# Altium PCB TinyShuffle v.0b.PcbDoc (part 1 of 2) (continued)
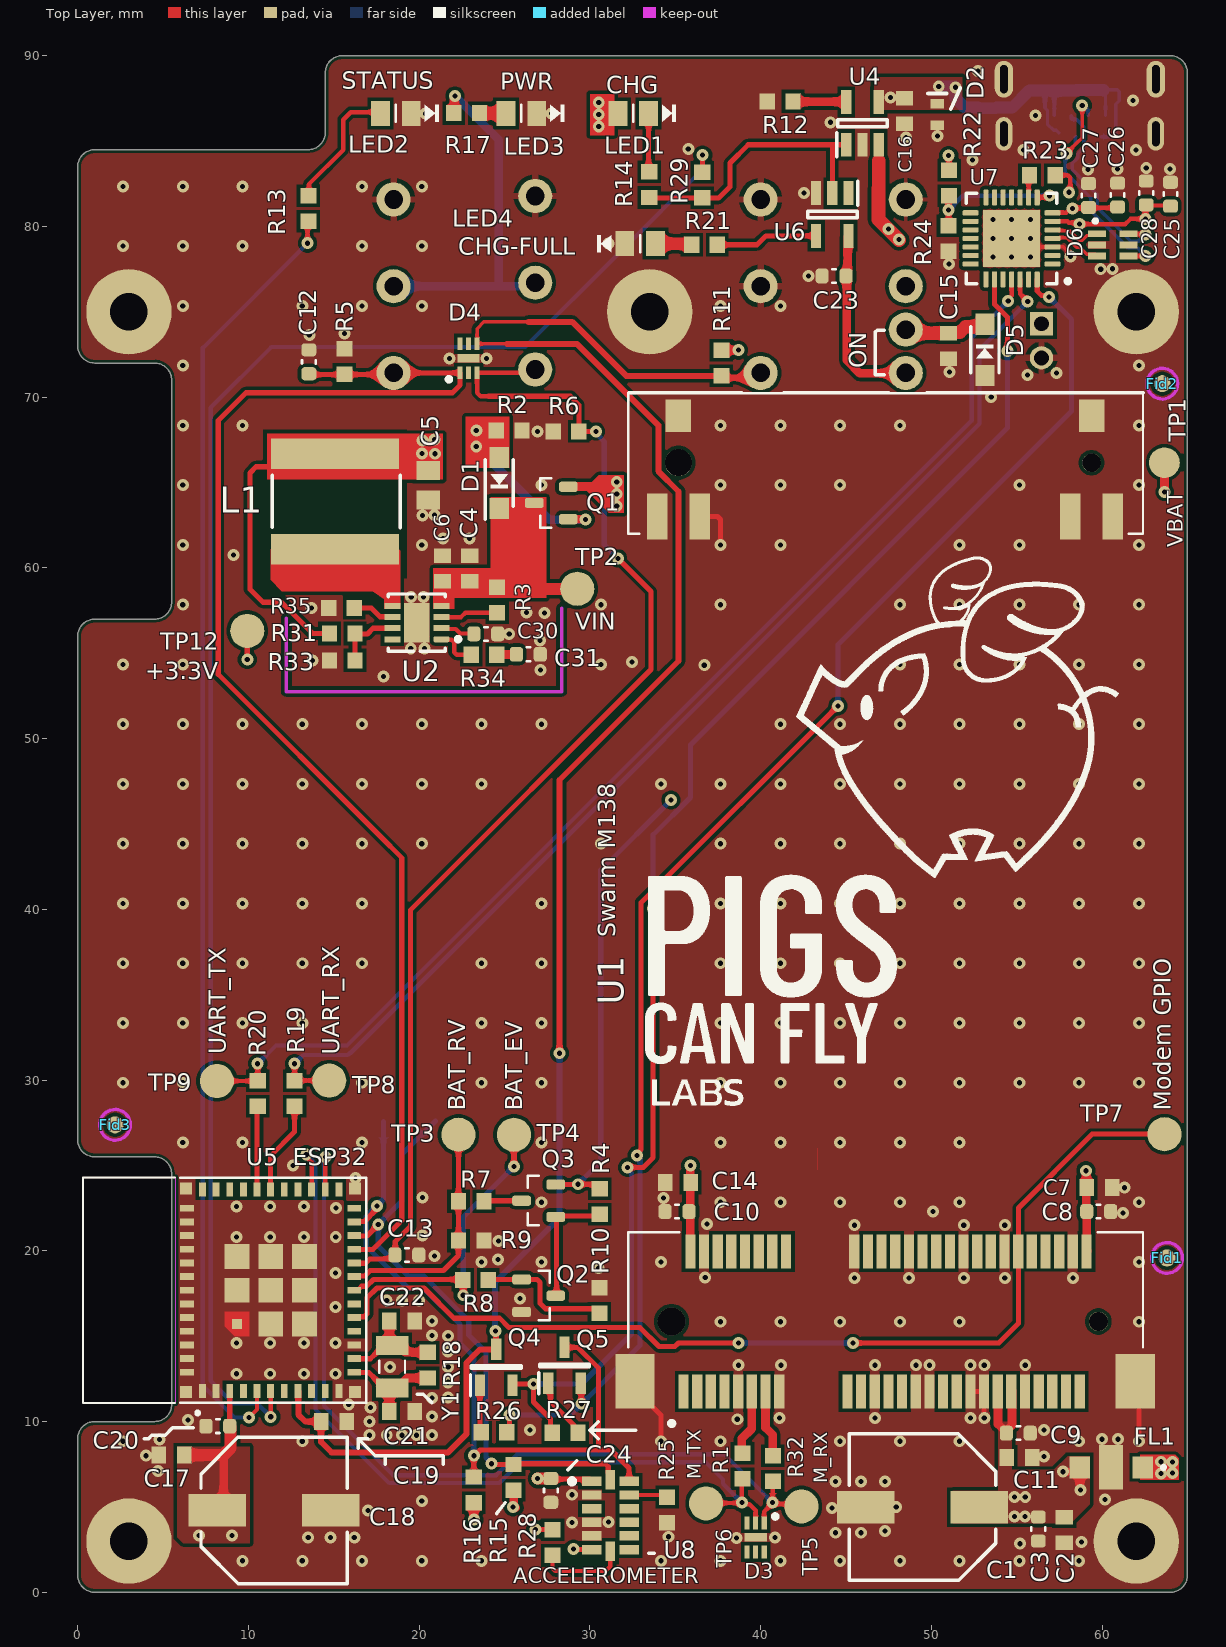
[diagram p0: Top Layer view]
## Design rules (kind name [scope] priority, off if disabled: settings) (continued)
21 further rules are at their usual default settings.

## Classes and differential pairs
differential pair USB: +USB_P -USB_N
differential pair USBC: +USBC_P -USBC_N

## Components (designator, comment, footprint, x,y, rotation, side; value= is the part's Value field where it differs from the comment)
C1 "APXA6R3ARA221MH7" CHEMI-H70 49.479,4.978 r180 top value=220uF
C2 "GRM188R61E106MA73D" "0603 CAPACITOR" 57.785,3.658 r270 top value=10UF
C3 "CL10B104KB8NNWC" CAPC160X80X90L35L#1 56.261,3.708 r90 top
C4 "CAPC1608N-1UF" "0603 CAPACITOR" 22.962,59.969 r270 top value=1UF
C5 "CL21A226MOQNNNE" CAPC2012X135N 20.523,64.846 r90 top value=22uF
C6 "GRM188R61E106MA73D" "0603 CAPACITOR" 21.361,59.969 r270 top value=10UF
C7 "GRM188R61E106MA73D" "0603 CAPACITOR" 59.85,23.7 r180 top value=10UF
C8 "CL10B104KB8NNWC" CAPC160X80X90L35L#1 59.8,22.3 r0 top
C9 "CL10B104KB8NNWC" CAPC160X80X90L35L#1 55.093,9.322 r180 top
C10 "CL10B104KB8NNWC" CAPC160X80X90L35L#1 35.1,22.3 r180 top
C11 "GRM188R61E106MA73D" "0603 CAPACITOR" 55.169,7.899 r180 top value=10UF
C12 "CL10B104KB8NNWC" CAPC160X80X90L35L#1 13.538,72.072 r270 top
C13 "CL10B104KB8NNWC" CAPC160X80X90L35L#1 19.279,19.761 r180 top
C14 "GRM188R61E106MA73D" "0603 CAPACITOR" 35.15,24 r0 top value=10UF
C15 "CAPC1608N-1UF" "0603 CAPACITOR" 51,73 r270 top value=1UF
C16 "CAPC1608N-1UF" "0603 CAPACITOR" 48.438,86.766 r90 top value=1UF
C17 "CAPC1608N-1UF" "0603 CAPACITOR" 5.5,8.038 r0 top value=1UF
C18 "APXA6R3ARA221MH7" CHEMI-H70 11.5,4.8 r0 top value=220uF
C19 "CAPC1608N-1UF" "0603 CAPACITOR" 15,10 r180 top value=1UF
C20 "CL10B104KB8NNWC" CAPC160X80X90L35L#1 8.204,9.728 r180 top
C21 "GRM1885C2A120JA01D" "0603 CAPACITOR" 19,10.6 r0 top value=12pF
C22 "GRM1885C2A120JA01D" "0603 CAPACITOR" 19,15.9 r0 top value=12pF
C23 "CL10B104KB8NNWC" CAPC160X80X90L35L#1 44.3,77.1 r180 top
C24 "CL10B104KB8NNWC" CAPC160X80X90L35L#1 27.711,5.969 r90 top
C25 "GRM188R61E475KE11D" CAPC160X80X90L35L#1 64.008,81.89 r270 top
C26 "CL10B104KB8NNWC" CAPC160X80X90L35L#1 60.909,81.839 r270 top
C27 "GRM188R61E475KE11D" CAPC160X80X90L35L#1 59.207,81.813 r270 top
C28 "CL10B104KB8NNWC" CAPC160X80X90L35L#1 62.586,81.966 r270 top
C29 "GRM188R61E475KE11D" CAPC160X80X90L35L#2 52.756,87.63 r270 bottom
C30 "CL10B103KB8NNNC" CAPC160X80X90L35L#2 23.901,56.134 r180 top
C31 "CL10C561JB8NFNC" CAPC160X80X90L35L#2 26.391,54.94 r180 top
D1 "MBR120" SODFL3616X98N 24.689,64.973 r90 top
D2 "ESDA7P60-1U1M" ST_1610 50.35,86.551 r270 top
D3 "UCLAMP3306P.TCT" SLP1616P6 39.708,3.214 r270 top
D4 "UCLAMP3306P.TCT" SLP1616P6 22.893,72.277 r90 top
D5 "MBR120" SODFL3616X98N 53.137,72.771 r270 top
D6 "USBUF02W6" SOT323-6L 60.63,78.918 r0 top
Fid1 "fid" "Fiducial mark 1" 63.805,19.583 r90 top
Fid2 "fid" "Fiducial mark 1" 63.525,70.79 r90 top
Fid3 "fid" "Fiducial mark 1" 2.184,27.381 r90 top
FL1 "YFF31HC2A105M" FIL_YFF31HC2A105M 60.528,7.315 r180 top
J1 "124019772112A" AMPHENOL_124019772112A 58.7,88.625 r0 bottom
L1 "2 µH" INDC8080X42L 15.062,63.892 r90 top
LED1 "5988130107F" LEDC2012X70N 32.537,86.623 r180 top value=ORANGE
LED2 "5988170107F" LEDC2012X70N 18.633,86.623 r180 top value=GREEN
LED3 "5988110107F" LEDC2012X70N 25.985,86.623 r180 top value=RED
LED4 "5988170107F" LEDC2012X70N 32.944,78.994 r0 top value=GREEN
Q1 "DMP2120U-7" SOT23-3P95_237X112L50X40L 27.737,63.805 r180 top
Q2 "DMP2004K-7" SOT23-3P95_237X112L50X40L 27,22.936 r180 top
Q3 "2N7002,215" SOT23-3P95_237X112L50X40L 27,17.374 r0 top
Q4 "MMBT2222A-G" SOT96P237X111-3N 24.511,13.183 r90 top
Q5 "MMBT2222A-G" SOT96P237X111-3N 28.514,13.293 r90 top
R1 "22" RES0603 38.938,7.391 r270 top
R2 "100K" RES0603 25.273,68.047 r0 top
R3 "10k" RES0603 24.562,58.115 r270 top value=10K
R4 "100K" RES0603 30.582,22.885 r270 top
R5 "10k" RES0603 15.621,72.09 r90 top value=10K
R6 "10k" RES0603 28.6,67.996 r180 top value=10K
R7 "330K" RES0603 23.05,22.9 r180 top value=15K
R8 "4.7K" RES0603 23.3,18.296 r0 top
R9 "47K" RES0603 23.05,20.6 r0 top value=47k
R10 "100K" RES0603 30.556,17.094 r90 top
R11 "10k" RES0603 37.7,72 r270 top value=10K
R12 "2.4K" RES0603 41.148,87.325 r180 top
R13 "1K" RES0603 13.513,81.051 r270 top
R14 "1K" RES0603 33.477,82.448 r270 top
R15 "4.7K" RES0603 25.527,6.731 r270 top
R16 "4.7K" RES0603 23.2,6 r270 top
R17 "1K" RES0603 22.784,86.639 r180 top
R18 "10M" RES0603 20.5,13.3 r90 top
R19 "22" RES0603 12.7,29.21 r270 top
R20 "22" RES0603 10.541,29.21 r270 top
R21 "1K" RES0603 36.71,78.925 r0 top
R22 "22.1 k" RES0603 51.04,82.543 r270 top
R23 "1K" RES0603 56.5,83 r180 top
R24 "47.5 k" RES0603 51.003,79.299 r270 top
R25 "10k" RES0603 34.519,4.826 r270 top value=10K
R26 "10k" RES0603 24.384,9.373 r180 top value=10K
R27 "10k" RES0603 28.55,9.347 r0 top value=10K
R28 "10k" RES0603 27.813,2.909 r90 top value=10K
R29 "1K" RES0603 36.576,82.423 r90 top
R31 "75K" RES0603 15.494,56.159 r0 top value=75k
R32 "22" RES0603 40.716,7.252 r270 top
R33 "24K" RES0603 15.494,54.585 r180 top value=24k
R34 "33K" RES0603 23.8,54.915 r0 top value=33k
R35 "300" RES0603 15.443,57.658 r180 top
S1 "200AWMSP1T1A1M7QE" 200AWMSP1T1A1M7QE 48.5,76.5 r270 bottom
S2 "800AWSP9M7QE" 800AWSP9M7QE 18.5,76.5 r270 bottom
S3 "800AWSP9M7QE" 800AWSP9M7QE 26.797,76.703 r270 bottom
S4 "800AWSP9M7QE" 800AWSP9M7QE 40,76.5 r270 bottom
T1 "SWR201-NRTN-S02-SA-WH" JST_B2B-PH-K-S(LF)(SN) 57,73.3 r90 bottom
TP1 "TPAD" PAD_2.0R#1 63.652,66.167 r0 top
TP2 "TPAD" PAD_2.0R#2 29.261,58.776 r0 top
TP3 "TPAD" PAD_2.0R#2 22.3,26.8 r0 top
TP4 "TPAD" PAD_2.0R#2 25.552,26.797 r0 top
TP5 "TPAD" PAD_2.0R#2 42.393,5.029 r0 top
TP6 "TPAD" PAD_2.0R#2 36.805,5.207 r0 top
TP7 "TPAD" PAD_2.0R#2 63.656,26.83 r0 top
TP8 "TPAD" PAD_2.0R#2 14.732,29.972 r0 top
TP9 "TPAD" PAD_2.0R#2 8.153,29.947 r0 top
TP10 "TPAD" PAD_2.0R#2 20.955,27.61 r90 bottom
TP11 "TPAD" PAD_2.0R#2 17.907,27.584 r90 bottom
TP12 "TPAD" PAD_2.0R#3 9.931,56.312 r0 top
U1 "M138_MODEM" XCVR_M138_MODEM 34.785,15.86 r0 top
U2 "RT8070ZQW" QFN65P300X300X80_HS-9L 19.863,56.794 r90 top
U4 "MCP73831T-2ACI/OT" SOT95P270X145-5N 45.97,86.038 r90 top
U5 "ESP32-C3-MINI-1-N4" XCVR_ESP32-C3-MINI-1-N4 8.601,17.691 r90 top
U6 "SN74LVC1G04DBVT" SOT95P270X145-5N 44.2,80.7 r270 top
U7 "CP2102N" QFN-28_1 54.7,79.3 r180 top
U8 "ADXL345BCCZ-RL" ADXL345BCCZRL 31.2,4.5 r0 top
Y1 "ABS07-32.768KHZ-T" XTAL_ABS07-32.768KHZ-T 18.415,13.208 r270 top

## Footprints (in the part's own frame and the unit in brackets; to place one, negate y for a bottom-side part, rotate by r counter-clockwise, add the part's x,y. Pads: shape width x height; smd on the part's side, far side on the other; paste and mask are expansions set on the pad)
200AWMSP1T1A1M7QE [mm] "SWITCH TOGGLE SPDT 3A 120V"
  round 2 hole 1.09 mask-0.05: 1(0,0) 2(2.54,0) 3(5.08,0) M(-5.08,0)
  silkscreen extent -9.9,-3 0.3,3, body extent -23.42,-2.95 5.34,2.95, height 8.67
"0603 CAPACITOR" [mm]
  rect 0.85x1 smd paste-0.05: 1(-0.75,0) 2(0.75,0)
  body extent -0.8,-0.4 0.8,0.4, height 0.81
800AWSP9M7QE [mm] "SWITCH PUSH SPST-NO 1A 120V"
  round 2 hole 1.09 mask-0.05: 1(0,0) 3(5.08,0) M(-5.08,0)
  silkscreen extent -10.1,-3 3.62,3, body extent -18.83,-2.95 5.34,2.95, height 8.74
ADXL345BCCZRL [mm]
  rect 1.145x0.55 smd paste-0.05 mask+0.05: 1(-1.097,2) 2(-1.097,1.2) 3(-1.097,0.4) 4(-1.097,-0.4) 5(-1.097,-1.2) 6(-1.097,-2) 8(1.097,-2) 9(1.097,-1.2) 10(1.097,-0.4) 11(1.097,0.4) 12(1.097,1.2) 13(1.097,2)
  rect 0.55x1.145 smd paste-0.05 mask+0.05: 7(0,-2.098) 14(0,2.098)
  silkscreen extent -2.4,1.85 -2.1,2.15, body extent -1.5,-2.5 1.5,2.5, height 1.1
AMPHENOL_124019772112A [mm]
  rect 0.25x0.75 smd mask-0.05: A1(-3.05,3.375) A4(-1.25,3.375) A5(-0.75,3.375) A6(-0.25,3.375) A7(0.25,3.375) A8(0.75,3.375) A9(1.25,3.375) A12(3.05,3.375) B1(3,2.125) B4(1.5,2.125) B5(1,2.125) B6(0.5,2.125) B7(-0.5,2.125) B8(-1,2.125) B9(-1.5,2.125) B12(-3,2.125)
  rect 0.3x0.75 smd mask-0.05: G1(-3.55,3.375) G2(3.55,3.375)
  oval 0.98x1.96 hole 0.45 slot 1.45 at 90 deg mask-0.05: S1(-4.45,3.2) S2(4.45,3.2)
  oval 1.08x2.16 hole 0.45 slot 1.65 at 90 deg mask-0.05: S3(-4.45,0) S4(4.45,0)
  silkscreen extent -4.75,1.4 4.75,5.1, body extent -4.92,-4.2 4.93,4.45, height 3.53
CAPC160X80X90L35L#1 [mm] "EIA 0603 (1608) T0.9 1.6x0.8x0.9"
  rrect50% 0.77x0.87 smd paste-0.05 mask+0.05: 1(-0.7,0) 2(0.7,0)
  silkscreen extent -0.1,-0.4 0.1,0.4, body extent -0.87,-0.48 0.87,0.47, height 0.9
CAPC160X80X90L35L#2 [mm] "EIA 0603 (1608) T0.9 1.6x0.8x0.9"
  rrect50% 0.77x0.87 smd: 1(-0.7,0) 2(0.7,0)
  silkscreen extent -0.1,-0.4 0.1,0.4, body extent -0.88,-0.48 0.87,0.47, height 0.9
CAPC2012X135N [mm]
  rect 1.1x1.38 smd: 1(-0.863,0) 2(0.863,0)
  body extent -1,-0.68 1,0.67, height 1.22
CHEMI-H70 [mil]
  rect 132x75 smd paste-1.97: 1(-131,0) 2(131,0)
  silkscreen extent -168,-169 169,169, body extent -177,-167 177,160, height 266
"Fiducial mark 1" [mm] "Fiducial mark for automatic assembly"
  round 1 smd far side paste-1 mask+0.45: 0(0,0)
  round 1 smd paste-1 mask+0.45: 0(0,0)
  Top Layer keep-out circle w0.2: c0,0 r0.9
  Bottom Layer keep-out circle w0.2: c0,0 r0.9
FIL_YFF31HC2A105M [mm]
  rect 1.2x1.3 smd paste-0.03: 1(-1.85,0) 3(1.85,0)
  rect 1.4x2.6 smd paste-2 mask+0: 2(0,0)
  silkscreen extent -3.17,-0.1 -2.97,0.1, body extent -1.6,-0.8 1.6,0.8, height 1.3
INDC8080X42L [mm] "Chip Inductor, 2-Leads, Body 8,00x8,00mm, IPC High Density"
  rect 1.8x7.5 smd: 1(-2.8,0) 2(2.8,0)
  silkscreen extent -1.55,-3.84 1.52,3.66, body extent -4.1,-4.1 4.1,4.1, height 4.2
JST_B2B-PH-K-S(LF)(SN) [mm]
  rect 1.368x1.368 hole 0.86 mask-0.05: 1(1,-0.55)
  round 1.368 hole 0.86 mask-0.05: 2(-1,-0.55)
  silkscreen extent -2.95,-2.25 3.7,2.25, body extent -2.95,-2.25 2.95,2.25, height 6.01
LEDC2012X70N [mm]
  rect 1.1x1.45 smd paste-0.05: A(0.9,0) C(-0.9,0)
  silkscreen extent -2.5,-0.5 0,0.5, body extent -1,-0.62 1,0.62, height 0.71
PAD_2.0R#1 [mm] "Pad, SMD, R=2.0 mm"
  round 1.8 smd paste-1 mask-0.05: 1(0,0)
  body extent -0.99,-1 1,1, height 0.05
PAD_2.0R#2 [mm] "Pad, SMD, R=2.0 mm"
  round 2 smd paste-1 mask-0.05: 1(0,0)
  body extent -0.99,-1 1,1, height 0.05
PAD_2.0R#3 [mm] "Pad, SMD, R=2.0 mm"
  round 2 smd paste-1: 1(0,0)
  body extent -0.99,-1 1,1, height 0.05
QFN65P300X300X80_HS-9L [mm] "QFN, 8-Leads, Body 3,00x3,00mm, Pitch 0,65mm, Thermal Pad 2,23x1,48mm, IPC High Density"
  rrect50% 0.35x0.93 smd mask+0.05: 1(-0.975,-1.435)
  rect 0.35x0.93 smd mask+0.05: 2(-0.325,-1.435) 3(0.325,-1.435) 4(0.975,-1.435) 5(0.975,1.435) 6(0.325,1.435) 7(-0.325,1.435) 8(-0.975,1.435)
  rect 2.3x1.5 smd mask+0.05: 9(0,0)
  silkscreen extent -1.68,-2.54 1.68,1.68, body extent -1.53,-1.52 1.52,1.53, height 0.8
QFN-28_1 [mm] "QFN, 28-Leads, Body 5,00x5,00mm, Pitch 0,50mm, Thermal Pad 3,35x3,35mm, IPC High Density"
  rrect50% 0.95x0.3 smd paste-0.05: 1(-2.4,1.5) 2(-2.4,1) 3(-2.4,0.5) 4(-2.4,0) 5(-2.4,-0.5) 6(-2.4,-1) 7(-2.4,-1.5) 15(2.4,-1.5) 16(2.4,-1) 17(2.4,-0.5) 18(2.4,0) 19(2.4,0.5) 20(2.4,1) 21(2.4,1.5)
  rrect50% 0.3x0.95 smd paste-0.05: 8(-1.5,-2.4) 9(-1,-2.4) 10(-0.5,-2.4) 11(0,-2.4) 12(0.5,-2.4) 13(1,-2.4) 14(1.5,-2.4) 22(1.5,2.4) 23(1,2.4) 24(0.5,2.4) 25(0,2.4) 26(-0.5,2.4) 27(-1,2.4) 28(-1.5,2.4)
  rect 3.35x3.35 smd paste-0.05: 29(0,0)
  silkscreen extent -3.43,-2.65 2.65,2.65, body extent -2.5,-2.5 2.5,2.5, height 0.75
RES0603 [mm]
  rect 0.9x0.95 smd paste-0.05: 1(-0.75,0) 2(0.75,0)
  body extent -0.77,-0.4 0.77,0.4, height 0.55
SLP1616P6 [mm] "SON50P160X160X65-7N"
  rect 0.75x0.3 smd paste-0.03 mask-0.05: 1(-0.85,0.5) 2(-0.85,0) 3(-0.85,-0.5) 4(0.85,-0.5) 5(0.85,0) 6(0.85,0.5)
  rect 0.5x1.3 smd paste-0.05 mask-0.05: 7(0,0)
  silkscreen extent -1.35,1.03 -1.1,1.28, body extent -0.85,-0.8 0.85,0.8, height 0.65
SODFL3616X98N [mm]
  rect 1.24x1.12 smd paste-0.03 mask+0.05: 1(-1.5,0) 2(1.5,0)
  silkscreen extent -2.12,-0.82 1.35,0.82, body extent -1.8,-0.82 1.8,0.82, height 0.98
SOT23-3P95_237X112L50X40L [mm] "SOT-23-3 2.9x1.3x1.1 p0.95 (JEDEC TO-236AB)"
  rrect50% 1.1x0.6 smd paste-0.05 mask+0.05: 1(-1,0.95) 2(-1,-0.95) 3(1,0)
  silkscreen extent 0,-1.45 0.65,1.45, body extent -1.2,-1.45 1.2,1.45, height 0.91
SOT95P270X145-5N [mm]
  rect 1.4x0.6 smd paste-0.05: 1(-1.25,0.95) 2(-1.25,0) 3(-1.25,-0.95) 4(1.25,-0.95) 5(1.25,0.95)
  silkscreen extent -1.95,-1.45 0.2,1.5, body extent -1.35,-1.45 1.35,1.45, height 1.45
SOT96P237X111-3N [mm]
  rect 1.25x0.6 smd paste-0.05: 1(-1.05,0.955) 2(-1.05,-0.955) 3(1.05,0)
  silkscreen extent -1.68,-1.46 0.08,1.51, body extent -1.18,-1.46 1.18,1.46, height 1.11
SOT323-6L [mm] "SOT23, 6-Leads, Body 2,00x2,10mm, Pitch 0,65mm, IPC High Density"
  rect 1.05x0.4 smd paste-0.03 mask+0.05: 1(-0.925,0.65) 2(-0.925,0) 3(-0.925,-0.65) 4(0.925,-0.65) 5(0.925,0) 6(0.925,0.65)
  silkscreen extent -1.12,1.31 -0.93,1.49, body extent -0.67,-1.1 0.67,1.1, height 1.1
ST_1610 [mm]
  rect 0.55x0.8 smd paste-0.05 mask-0.05: 1(-0.625,0) 2(0.625,0)
  silkscreen extent -1.23,-0.54 -1.23,0.53, body extent -0.85,-0.55 0.85,0.55, height 0.66
XCVR_ESP32-C3-MINI-1-N4 [mm]
  rect 0.8x0.4 smd: 1(-5.9,1.3) 2(-5.9,0.5) 3(-5.9,-0.3) 4(-5.9,-1.1) 5(-5.9,-1.9) 6(-5.9,-2.7) 7(-5.9,-3.5) 8(-5.9,-4.3) 9(-5.9,-5.1) 10(-5.9,-5.9) 11(-5.9,-6.7) 25(5.9,-6.7) 26(5.9,-5.9) 27(5.9,-5.1) 28(5.9,-4.3) 29(5.9,-3.5) 30(5.9,-2.7) 31(5.9,-1.9) 32(5.9,-1.1) 33(5.9,-0.3) 34(5.9,0.5) 35(5.9,1.3)
  rect 0.4x0.8 smd: 12(-4.8,-7.6) 13(-4,-7.6) 14(-3.2,-7.6) 15(-2.4,-7.6) 16(-1.6,-7.6) 17(-0.8,-7.6) 18(0,-7.6) 19(0.8,-7.6) 20(1.6,-7.6) 21(2.4,-7.6) 22(3.2,-7.6) 23(4,-7.6) 24(4.8,-7.6) 36(4.8,2.2) 37(4,2.2) 38(3.2,2.2) 39(2.4,2.2) 40(1.6,2.2) 41(0.8,2.2) 42(0,2.2) 43(-0.8,2.2) 44(-1.6,2.2) 45(-2.4,2.2) 46(-3.2,2.2) 47(-4,2.2) 48(-4.8,2.2)
  rect 0.6x0.6 smd paste-1 mask+0: 49_1(-1.975,-0.725)
  rect 1.45x1.45 smd: 49_2(0,-0.725) 49_3(1.975,-0.725) 49_4(1.975,-2.7) 49_5(1.975,-4.675) 49_6(0,-4.675) 49_7(-1.975,-4.675) 49_8(-1.975,-2.7) 49_9(0,-2.7)
  rect 0.7x0.7 smd: 50(5.95,2.25) 51(5.95,-7.65) 52(-5.95,-7.65) 53(-5.95,2.25)
  Top Layer region: -1.25,-1.45 -2.7,-1.45 -2.7,-0.6 -2.1,0 -1.25,0
  Keep-Out Layer region: 6.6,2.9 -6.6,2.9 -6.6,8.3 6.6,8.3
  Keep-Out Layer region: 6.6,2.9 -6.6,2.9 -6.6,8.3 6.6,8.3
  silkscreen extent -7.29,-8.3 6.6,8.3, body extent -6.6,-8.3 6.6,8.3, height 2.55
XCVR_M138_MODEM [mm]
  rect 0.6x2 smd: 1(0.7,-4.1) 2(1.1,4.1) 3(1.5,-4.1) 4(1.9,4.1) 5(2.3,-4.1) 6(2.7,4.1) 7(3.1,-4.1) 8(3.5,4.1) 9(3.9,-4.1) 10(4.3,4.1) 11(4.7,-4.1) 12(5.1,4.1) 13(5.5,-4.1) 14(5.9,4.1) 15(6.3,-4.1) 16(6.7,4.1) 17(10.3,-4.1) 18(10.7,4.1) 19(11.1,-4.1) 20(11.5,4.1) 21(11.9,-4.1) 22(12.3,4.1) 23(12.7,-4.1) 24(13.1,4.1) 25(13.5,-4.1) 26(13.9,4.1) 27(14.3,-4.1) 28(14.7,4.1) 29(15.1,-4.1) 30(15.5,4.1) 31(15.9,-4.1) 32(16.3,4.1) 33(16.7,-4.1) 34(17.1,4.1) 35(17.5,-4.1) 36(17.9,4.1) 37(18.3,-4.1) 38(18.7,4.1) 39(19.1,-4.1) 40(19.5,4.1) 41(19.9,-4.1) 42(20.3,4.1) 43(20.7,-4.1) 44(21.1,4.1) 45(21.5,-4.1) 46(21.9,4.1) 47(22.3,-4.1) 48(22.7,4.1) 49(23.1,-4.1) 50(23.5,4.1) 51(23.9,-4.1) 52(24.3,4.1)
  rect 2.3x3.2 smd: 53(-2.15,-3.5) 54(27.15,-3.5)
  rect 1.5x1.9 smd: S1_1(0.4,53.05) S2_1(24.6,53.05)
  rect 1.2x2.7 smd: S1_2(-0.85,47.15) S1_3(1.65,47.15) S2_2(23.35,47.15) S2_3(25.85,47.15)
  round 1.63 hole 1.63 unplated: ""(0,0)
  round 1.58 hole 1.58 unplated: ""(0.4,50.3)
  round 1.08 hole 1.08 unplated: ""(24.6,50.3)
  round 1.13 hole 1.13 unplated: ""(25,0)
  silkscreen extent -2.54,-6.04 27.61,54.37, body extent -2.4,-4.87 27.64,54.32, height 6.9
XTAL_ABS07-32.768KHZ-T [mm]
  rect 1.1x1.9 smd paste-0.03: 1(-1.25,0) 2(1.25,0)
  silkscreen extent -0.35,-0.75 0.35,0.75, body extent -1.6,-0.75 1.6,0.75, height 0.89

## Part data
C1 C18: "CAP ALUM POLY 220UF 20% 6.3V SMD", Manufacturer="Nippon Chemi-Con", ManufacturerPartNumber=APXA6R3ARA221MH70G, C="Copyright (C) 2015 Accelerated Designs. All rights reserved", Copyright="Copyright (C) 2022 Ultra Librarian. All rights reserved.", Digi-Key_Part_Number_1=565-3114-1-ND, Digi-Key_Part_Number_2=565-3114-2-ND, Digi-Key_Part_Number_3=565-3114-2-NDL, Digi-Key_Part_Number_4=565-3114-6-ND
C2 C6 C7 C11 C14: library part CAPC1608N-0.1UF, "25V 10UF X5R ±20% 0603 MLCC", Manufacturer="TDK Corporation", ManufacturerPartNumber=CGA3E2X7R1E104K080AA, Mouser Part Number=963-TMF212B7104KGHT, Mouser Price/Stock=https://www2.mouser.com/ProductDetail/Taiyo-Yuden/TMF212B7104KGHT?qs=%252B6g0mu59x7Jv7XISa3hIWA%3D%3D, PCB DECAL=CAPC1608X55N
C3 C8 C9 C10 C12 C13 C20 C23 C24 C26 C28: library part CMP-00119-2, "CAP CER 0.1UF 50V X7R 0603", Capacitance=100nF, Dielectric=X7R, Manufacturer="Samsung Electro-Mechanics", Op Temp max=125°C, Op Temp min=-55°C, Package="0603 (1608 Metric)", Ratings=-, Tolerance=10%, Voltage Rating=50V, ComponentLink1Description=Datasheet, ComponentLink1URL=http://product.samsungsem.com/mlcc/CL10B104KB8NNW.do, ComponentLink2Description=Mouser, ComponentLink2URL=https://eu.mouser.com/ProductDetail/Samsung-Electro-Mechanics/CL10B104KB8NNWC?qs=%2Fha2pyFaduh3vwrZSGoh3Z6Gj3oVa1Y%2Fpd7iGPjF01jpt%2F6TY3kdMw%3D%3D, ComponentLink3Description=Digikey, ComponentLink3URL=https://www.digikey.com/en/products/detail/samsung-electro-mechanics/CL10B104KB8NNWC/3887593, Height max=900µm, Lead Spacing=0mm, ManufacturerPartNumber=CL10B104KB8NNWC, Mounting Type=SM, Size="1.60mm x 0.80mm"
C4 C15 C16 C17 C19: library part CAPC1608N-0.1UF, "CAP CER 1UF 25V X7R 0603", Manufacturer="TDK Corporation", ManufacturerPartNumber=CGA3E2X7R1E104K080AA, Mouser Part Number=963-TMF212B7104KGHT, Mouser Price/Stock=https://www2.mouser.com/ProductDetail/Taiyo-Yuden/TMF212B7104KGHT?qs=%252B6g0mu59x7Jv7XISa3hIWA%3D%3D, PCB DECAL=CAPC1608X55N
C5: "CAP CER 22UF 16V X5R 0805", Manufacturer="Samsung Electro-Mechanics", Operating Temperature="-55°C ~ 85°C", Package / Case="0805 (2012 Metric)", Temperature Coefficient=X5R, Tolerance=±20%, Voltage - Rated=16V, ComponentLink1Description=Datasheet, ComponentLink1URL=https://media.digikey.com/pdf/Data%20Sheets/Samsung%20PDFs/CL21A226MOQNNNE_Spec.pdf, ComponentLink2Description=Digikey, ComponentLink2URL=https://www.digikey.com/en/products/detail/samsung-electro-mechanics/CL21A226MOQNNNE/3888567, ManufacturerPartNumber=CL21A226MOQNNNE
C21 C22: library part CAPC1608N-0.1UF, "CAP CER 12PF NP0 0603", Manufacturer="Murata Electronics", ManufacturerPartNumber=GRM1885C2A120JA01D
C25 C27 C29: library part CMP-001-0280-2, "CAP CER 4.7UF 25V X5R 0603", Capacitance=4.7µF, Dielectric=X5R, Manufacturer="Murata Electronics", Op Temp max=85°C, Op Temp min=-55°C, Package="0603 (1608 Metric)", Ratings=-, Tolerance=10%, Voltage Rating=25V, ComponentLink1Description=Datasheet, ComponentLink1URL=https://www.murata.com/-/media/webrenewal/support/library/catalog/products/capacitor/ceramiccapacitor/c02e.ashx?la=en-us&cvid=20210120024548000000, ComponentLink2Description=Mouser, ComponentLink2URL=https://eu.mouser.com/ProductDetail/Murata-Electronics/GRM188R61E475KE11D?qs=eeBpzGFlv%252B9M0HqzMo%2FgYw%3D%3D, ComponentLink3Description=Digikey, ComponentLink3URL=https://www.digikey.com/en/products/detail/murata-electronics/GRM188R61E475KE11D/3900465, Height max=800µm, Lead Spacing=0mm, ManufacturerPartNumber=GRM188R61E475KE11D, Mounting Type=SM, Size="1.60mm x 0.80mm"
C30: library part CMP-00119-2, "CAP CER 10000PF 50V X7R 0603", Capacitance=10nF, Dielectric=X7R, Manufacturer="Samsung Electro-Mechanics", Op Temp max=125°C, Op Temp min=-55°C, Package="0603 (1608 Metric)", Ratings=-, Tolerance=10%, Voltage Rating=50V, ComponentLink1Description=Datasheet, ComponentLink1URL=https://media.digikey.com/pdf/Data%20Sheets/Samsung%20PDFs/CL10B103KB8NNNC_Spec.pdf, ComponentLink2Description=Mouser, ComponentLink2URL=https://www.mouser.com/ProductDetail/Samsung-Electro-Mechanics/CL10B103KB8NNNC?qs=349EhDEZ59pAsZxZjVI0UQ%3D%3D, ComponentLink3Description=Digikey, ComponentLink3URL=https://www.digikey.com/en/products/detail/samsung-electro-mechanics/CL10B103KB8NNNC/3886667, Height max=900µm, Lead Spacing=0mm, ManufacturerPartNumber=CL10B103KB8NNNC, Mounting Type=SM, Size="1.60mm x 0.80mm"
C31: library part CMP-00119-2, "CAP CER 560PF 50V C0G/NP0 0603", Capacitance=560pF, Dielectric="C0G, NP0", Manufacturer="Samsung Electro-Mechanics", Op Temp max=125°C, Op Temp min=-55°C, Package="0603 (1608 Metric)", Ratings=-, Tolerance=10%, Voltage Rating=50V, ComponentLink1Description=Datasheet, ComponentLink1URL=https://www.samsungsem.com/kr/support/product-search/mlcc/CL10C561JB8NFNC.jsp, ComponentLink2Description=Mouser, ComponentLink2URL=https://www.mouser.com/ProductDetail/Samsung-Electro-Mechanics/CL10C561JB8NFNC?qs=h6Piwd%2Fnvzm6ky5tL0eH4g%3D%3D, ComponentLink3Description=Digikey, ComponentLink3URL=https://www.digikey.com/en/products/detail/samsung-electro-mechanics/CL10C561JB8NFNC/3887973, Height max=900µm, Lead Spacing=0mm, ManufacturerPartNumber=CL10C561JB8NFNC, Mounting Type=SM, Size="1.60mm x 0.80mm"
D1 D5: library part MBR0520, "20V 600mV@1A 1A SOD-123 Schottky Barrier Diodes (SBD) ROHS", LCSC Part Number=C81143, Manufacturer=ON, ManufacturerPartNumber=LMBR120FT1G, Generic Part=no
D2: "TVS DIODE 5V 11.6V 1610", Manufacturer=STMicroelectronics, Package/Case=1610, Supplier 1 Part Number=497-16253-2-ND, Group=Diode, ManufacturerPartNumber=ESDA7P60-1U1M, MPN=ESDA7P60-1U1M, Price=0.07875, Supplier 1=Digi-Key, Supplier 1 Link=https://www.digikey.com/en/products/detail/stmicroelectronics/ESDA7P60-1U1M/5768408?s=N4IgTCBcDaIKIGUAiBBA7ABQGwAYC0AjAKoECyIAugL5A
D3 D4: "TVS DIODE 3.3V 8V SLP1616P6", Manufacturer=Semtech, Package/Case="6-UFDFN Exposed Pad", Supplier 1 Part Number=947-UCLAMP3306P.TCT, Group=Diode, ManufacturerPartNumber=UCLAMP3306P.TCT, Price=0.337, Supplier 1=Mouser, Supplier 1 Link=https://www.mouser.co.uk/ProductDetail/Semtech/UCLAMP3306PTCT?qs=sGAEpiMZZMvxHShE6Whpu05L4sgaWrd7w3EbVo7phXk%3D
D6: library part NUF2221W1T2G, "FILTER RC(PI) 22 OHM/47PF SMD", Manufacturer=STMicroelectronics, Package/Case=SOT363, Supplier 1 Part Number=497-3743-2-ND, Group=Diode, ManufacturerPartNumber=USBUF02W6, Price=0.8, Supplier 1=Digi-Key, Supplier 1 Link=https://www.digikey.com/en/products/detail/stmicroelectronics/USBUF02W6/686422
FL1: "1ÂµF Feed Through Capacitor 100V 6A 5mOhm 1206 (3216 Metric), 4 PC Pad", Manufacturer=TDK, Package="0402 TDK", Check_prices=https://www.snapeda.com/parts/YFF31HC2A105M/TDK/view-part/566442/?ref=eda, Digi-Key_Part_Number=445-16151-1-ND, ManufacturerPartNumber=YFF31HC2A105M, Purchase-URL=https://pricing.snapeda.com/search/part/YFF31HC2A105M/?ref=eda, SnapEDA_Link=https://www.snapeda.com/parts/YFF31HC2A105M/TDK/view-part/566442/?ref=snap
J1: "USB2.0, TOP MOUNT, R/A, 16 PIN, DUAL", Manufacturer="Amphenol Commercial Products", Package=None, Availability=Bad, Check_prices=https://www.snapeda.com/parts/124019772112A/Amphenol/view-part/4792123/?ref=eda, ManufacturerPartNumber=124019772112A, Price=None, SnapEDA_Link=https://www.snapeda.com/parts/124019772112A/Amphenol/view-part/4792123/?ref=snap
L1: library part NR8040T2R0N, "FIXED IND 2UH 6.3A 11.7 MOHM SMD", DC Resistance max.=11.7mOhm, Manufacturer="Taiyo Yuden", Operating Temperature="-50 to +100degC", Rated Current="6.3 A", ComponentLink1Description=Digikey, ComponentLink1URL=https://www.digikey.com/en/products/detail/taiyo-yuden/NR8040T2R0N/1739079, ComponentLink2Description=Datasheet, ComponentLink2URL=https://www.yuden.co.jp/productdata/catalog/wound04_e.pdf, Height=4.0mm, Inductance="2 µH", Length=8.0mm, ManufacturerPartNumber=NR8040T2R0N, Material="Drum Core, Wirewound", Mounting Technology=SMT, Packaging="Tape and Reel", Width=8.0mm
LED1: library part 598_SERIES_LED, "Orange 605nm LED Indication - Discrete 2V 0805 (2012 Metric)", Manufacturer=Dialight, ManufacturerPartNumber=598-8110-107F, Package="0805 Dialight", Availability=Unavailable, Price=None, SnapEDA_Link=https://www.snapeda.com/parts/598-8110-107F/Dialight/view-part/275124/?ref=snap
LED2 LED4: library part 598_SERIES_LED, "Green 566nm LED Indication - Discrete 2V 0805 (2012 Metric)", Manufacturer=Dialight, ManufacturerPartNumber=598-8110-107F, Package="0805 Dialight", Availability=Unavailable, Price=None, SnapEDA_Link=https://www.snapeda.com/parts/598-8110-107F/Dialight/view-part/275124/?ref=snap
LED3: library part 598_SERIES_LED, "Red 635nm LED Indication - Discrete 2.2V 0805 _2012 Metric_", Manufacturer=Dialight, ManufacturerPartNumber=598-8110-107F, Package="0805 Dialight", Availability=Unavailable, Price=None, SnapEDA_Link=https://www.snapeda.com/parts/598-8110-107F/Dialight/view-part/275124/?ref=snap
Q1: library part CMP-001-0218-5, "MOSFET P-CH 20V 3.8A SOT23", Current - Continuous Drain (Id) @ 25°C="3.8A (Ta)", Drain to Source Voltage (Vdss)="20 V", Input Capacitance (Ciss) (Max) @ Vds="487pF @20V", Manufacturer="Diodes Incorporated", Op Temp max=150°C, Op Temp min=-55°C, Package=SOT-23-3, ComponentLink1Description=Datasheet, ComponentLink1URL=https://www.vishay.com/docs/73238/73238.pdf, ComponentLink2Description=Mouser, ComponentLink2URL=https://eu.mouser.com/ProductDetail/Vishay-Semiconductors/SI2325DS-T1-E3?qs=jcx%252B0HVgj2ZrYzLJS1OITQ%3D%3D, ComponentLink3Description=Digikey, ComponentLink3URL=https://www.digikey.com/en/products/detail/diodes-incorporated/DMP2120U-7/8275357, FET Type=P-Channel, Height max=1.12mm, ManufacturerPartNumber=DMP2120U-7, Mounting Type=SM, Pmax="800mW (Ta)", Rds @ Id, Vgs="62mOhm @ 4.2A, 4.5V", Size=2.9x2.3, Technology=MOSFET, Vgs="2V @ 250µA", Vgs (MAX)=±8V
Q2: library part CMP-001-0218-5, "MOSFET P-CH 20V 600MA SOT23-3", Current - Continuous Drain (Id) @ 25°C=600mA, Drain to Source Voltage (Vdss)="20 V", Input Capacitance (Ciss) (Max) @ Vds="175 pF @ 16 V", Manufacturer="Diodes Incorporated", Op Temp max=150°C, Op Temp min=-55°C, Package=SOT-23-3, ComponentLink1Description=Datasheet, ComponentLink1URL=https://www.diodes.com/assets/Datasheets/ds30933.pdf, ComponentLink2Description=Mouser, ComponentLink2URL=https://www.mouser.com/ProductDetail/Diodes-Incorporated/DMP2004K-7?qs=R%252By5Lqt1H6xpbz%252B9t5zMtA%3D%3D, ComponentLink3Description=Digikey, ComponentLink3URL=https://www.digikey.com/en/products/detail/diodes-incorporated/DMP2004K-7/1774201, FET Type=P-Channel, Height max=1.12mm, ManufacturerPartNumber=DMP2004K-7, Mounting Type=SM, Pmax=225mW, Rds @ Id, Vgs="900mOhm @ 430mA, 4.5V", Size=2.9x2.3, Technology=MOSFET, Vgs="1V @ 250µA", Vgs (MAX)=±8V
Q3: library part CMP-001-0268-1, "Power MOSFET, N Channel, 60 V, 300 mA, 2.8 ohm, SOT-23, Surface Mount", Current - Continuous Drain (Id) @ 25°C=360mA, Drain to Source Voltage (Vdss)=60V, Input Capacitance (Ciss) (Max) @ Vds="50 pF @ 10 V", Manufacturer="Nexperia USA Inc.", Op Temp max=150°C, Op Temp min=-55°C, Package=SOT-23-3, ComponentLink1Description=Datasheet, ComponentLink1URL=https://assets.nexperia.com/documents/data-sheet/2N7002P.pdf, ComponentLink2Description=Mouser, ComponentLink2URL=https://eu.mouser.com/ProductDetail/Nexperia/2N7002P235?qs=A1cBxND5mHJjAcok1kSTYw%3D%3D, ComponentLink3Description=Digikey, ComponentLink3URL=https://www.digikey.com/en/products/detail/nexperia-usa-inc/2N7002-215/762973, FET Type=N-Channel, Height max=1.1mm, ManufacturerPartNumber=2N7002,215, Mounting Type=SM, Pmax=350mW, Rds @ Id, Vgs="1.6Ohm @ 500mA, 10V", Size=2.9x2.3, Technology=MOSFET, Vgs=2.4V, Vgs (MAX)=20
Q4 Q5: library part MMBT2222ALT1G, "Integrated Circuit", LCSC Part Number=C82460, Manufacturer="Comchip Technology", Mouser Part Number=863-MMBT2222ALT1G, Arrow Part Number=MMBT2222A-G, Arrow Price/Stock=https://www.arrow.com/en/products/mmbt2222alt1g/on-semiconductor, Datasheet Link=https://www.comchiptech.com/admin/files/product/MMBT2222A-G%20RevB.pdf, Height=1.11mm, ManufacturerPartNumber=MMBT2222A-G, Mouser Price/Stock=https://www.mouser.co.uk/ProductDetail/ON-Semiconductor/MMBT2222ALT1G?qs=HVbQlW5zcXWwnD7Jokybqg%3D%3D
R1 R19 R20 R32: library part 1K_0603, "RES 22OHM 1/10W 1% 0603 SMD", Manufacturer=Yageo, ManufacturerPartNumber=RC0603FR-0722RL, Generic Part=no
R2 R4 R10: library part 100K_0603, "Res General Purpose Thick Film 0603 100k Ohm 1% 1/10W ±100ppm/°C Molded", Manufacturer=Vishay, ManufacturerPartNumber=CRCW0603100KFKEAHP, Generic Part=no
R3 R5 R6 R11 R25 R26 R27 R28: library part 100K_0603, "RES 10.0K OHM 1/10W 1% 0603 SMD Ro HS", Manufacturer=Susumu, ManufacturerPartNumber=RGA1608P-103-B-T1, Mouser Part Number=754-RGA1608P-103BT1, ComponentLink1Description="Datasheet Link", ComponentLink1URL=https://componentsearchengine.com/Datasheets/1/RGA1608P-103-B-T1.pdf, Generic Part=no
R7: library part 330K_0603, "RES 15K OHM 1% 1/10W 0603", Manufacturer=Vishay, ManufacturerPartNumber=CRCW060315K0FKEAC, Generic Part=no
R8 R15 R16: library part 100K_0603, "Thin Film Resistors - SMD 1/10W 4.7K ohm 1% 50ppm", Manufacturer=YAGEO, ManufacturerPartNumber=RT0603FRE074K7L
R9: library part 100K_0603, "RES SMD 47K OHM 1% 1/10W 0603", Manufacturer=Vishay, ManufacturerPartNumber=CRCW060347K0FKTA, Generic Part=no
R12: library part 10K_0603, "2.4 kOhms ±1% 0.1W, 1/10W Chip Resistor 0603 (1608 Metric) Thick Film", Manufacturer=Vishay, ManufacturerPartNumber=CRCW06032K40FKEAC, Generic Part=no
R13 R14 R17 R21 R23 R29: library part 1K_0603, "RES 1.00K OHM 1/10W 1% 0603 SMD", Manufacturer=Vishay, ManufacturerPartNumber=CRCW06031K00FKEAHP, Generic Part=no
R18: library part 100K_0603, "Res Thick Film 0603 10M Ohm 1% 1/10W ±200ppm/°C Molded SMD SMD Paper T/R", Manufacturer="Vishay Dale", ManufacturerPartNumber=CRCW060310M0JNEA, Generic Part=YES
R22: library part 1K_0603, "RES SMD 22.1K OHM 1% 1/10W 0603", Manufacturer=Vishay, ManufacturerPartNumber=CRCW060322K1FKEA
R24: library part 1K_0603, "RES 47.5K OHM 1% 1/10W 0603", Manufacturer=Vishay, ManufacturerPartNumber=CRCW060347K5FKEAC
R31: library part 100K_0603, "RES 75K OHM 1% 1/10W 0603", Manufacturer="Vishay Dale", ManufacturerPartNumber=CRCW060375K0FKEAC, Generic Part=no
R33: library part 100K_0603, "RES 24K OHM 1% 1/10W 0603", Manufacturer="Vishay Dale", ManufacturerPartNumber=CRCW060324K0FKEAC, Generic Part=no
R34: library part 100K_0603, "RES SMD 33K OHM 1% 1/10W 0603", Manufacturer=YAGEO, ManufacturerPartNumber=RT0603DRE0733KL, Generic Part=no
R35: library part 1K_0603, "RES 300OHM 1/10W 1% 0603 SMD", Manufacturer=Yageo, ManufacturerPartNumber=RT0603FRE07300RL, Generic Part=no
S1: "SWITCH TOGGLE SPDT 3A 120V", Manufacturer=E-Switch, ManufacturerPartNumber=200AWMSP1T1A1M7QE
S2 S3 S4: "Pushbutton Switch SPST-NO Standard Through Hole, Right Angle, Vertical", Manufacturer=E-Switch, ManufacturerPartNumber=800AWSP9M7QE
T1: library part "Battery Connector", "Connector Header, PH Series, 2 Position, 2.00mm, Through Hole, Press-Fit, Solder, Natural", Manufacturer="Sullins Connector Solutions", ManufacturerPartNumber=SWR201-NRTN-S02-SA-WH
TP1 TP2 TP3 TP4 TP5 TP6 TP7 TP8 TP9 TP10 TP11 TP12: "Test Pad, SMD", Group="Test point"
U1: "'SWARM M138 MODEM mPCIe 2.005\" (50.925mm) x 1.18\" (30mm)  Two part connector", Manufacturer=Swarm, ManufacturerPartNumber="A: MM60-52B1-B1-R850 B: MM60-EZH039-B5-R850"
U2: "IC REG BUCK ADJUSTABLE 4A 8WDFN", Current - Output=4A, Frequency - Switching="200kHz ~ 2MHz", Manufacturer="Richtek USA Inc.", Package / Case="8-WDFN Exposed Pad", Voltage - Input (Max)=5.5V, Voltage - Input (Min)=2.7V, Voltage - Output (Max)=5V, Voltage - Output (Min/Fixed)=0.8V, ComponentLink1Description=Datasheet, ComponentLink1URL=https://www.richtek.com/assets/product_file/RT8070/DS8070-09.pdf, ComponentLink2Description=Digikey, ComponentLink2URL=https://www.digikey.com/en/products/detail/richtek-usa-inc/RT8070ZQW/3078331, ManufacturerPartNumber=RT8070ZQW
U4: library part MCP73831-2-OT, "IC BATT CNTL LI-ION 1CEL SOT23-5", Manufacturer="Microchip Technology", Generic Part=no, ManufacturerPartNumber=MCP73831T-2ACI/OT
U5: "Bluetooth, WiFi 802.11b/g/n, Bluetooth v5.0 Transceiver Module 2.412GHz ~ 2.484GHz PCB Trace Surface Mount", Manufacturer="Espressif Systems", Package="SMD-53 Espressif Systems", Availability="In Stock", Check_prices=https://www.snapeda.com/parts/ESP32-C3-MINI-1-N4/Espressif+Systems/view-part/?ref=eda, ManufacturerPartNumber=ESP32-C3-MINI-1-N4, Price=None, Purchase-URL=https://pricing.snapeda.com/search/part/ESP32-C3-MINI-1-N4/?ref=eda, SnapEDA_Link=https://www.snapeda.com/parts/ESP32-C3-MINI-1-N4/Espressif+Systems/view-part/?ref=snap
U6: library part SN74LVC1G04DBVR, "Inverter IC 1 Channel - SOT-23-5", Manufacturer="Texas Instruments", Arrow Part Number=SN74LVC1G04DBVT, Datasheet Link=https://www.ti.com/general/docs/suppproductinfo.tsp?distId=10&gotoUrl=https%3A%2F%2Fwww.ti.com%2Flit%2Fgpn%2Fsn74lvc1g04, Height=1.45mm, ManufacturerPartNumber=SN74LVC1G04DBVT
U7: library part CP2102N_QFN28, "IC USB TO UART BRIDGE QFN28", Manufacturer="Silicon Labs", ManufacturerPartNumber=CP2102N-A02-GQFN28R
U8: "3-Axis, ±2 g/±4 g/±8 g/±16 g Digital Accelerometer", Manufacturer="Analog Devices", Mouser Part Number=584-ADXL345BCCZ-R, Arrow Part Number=ADXL345BCCZ-RL, Arrow Price/Stock=https://www.arrow.com/en/products/adxl345bccz-rl/analog-devices?region=nac, Datasheet Link=https://www.analog.com/media/en/technical-documentation/data-sheets/ADXL345.pdf, Height=1mm, ManufacturerPartNumber=ADXL345BCCZ-RL, Mouser Price/Stock=https://www.mouser.co.uk/ProductDetail/Analog-Devices/ADXL345BCCZ-RL?qs=WIvQP4zGangSXrz9XHbgiA%3D%3D
Y1: "32.768kHz Â±20ppm Crystal 12.5pF 70 kOhms 2-SMD, No Lead", Manufacturer="Abracon LLC", ManufacturerPartNumber=ABS07-32.768KHZ, Package="SMD-2 Abracon", Availability=Unavailable, Price=None, SnapEDA_Link=https://www.snapeda.com/parts/ABS07-32.768KHZ/Abracon%20LLC/view-part/448682/?ref=snap

## Free pads (board coordinates)
  round 5 hole 2.2 mask-0.05: M(3,3) M(3,75) M(33.5,75) M(62,3) M(62,75)

## Via types
v1: diameter 0.7, hole 0.3, Top Layer to Bottom Layer, tented both sides, 449 vias
v2: diameter 0.5, hole 0.3, Top Layer to Bottom Layer, 9 vias

## Nets (pads, with @x,y where several pads share a name; then routed paths per layer and width w, separated by ;. In a path a pad name is that pad's centre, name@x,y a point inside that pad or via, vN(x,y) a via of type N, cw(c..) or ccw(c..) an arc to the next point about the centre after c; other vN are vias at no path point)
+3V3: C5.2 C17.2 C18.1 C20.1 C24.2 FL1.1 L1.2 R11.1 R15.2 R16.2 R17.2 R28.2 R31.1 S2.1 S3.1 TP12.1 U5.3 U8.1 U8.6 | length 60.4
  Top Layer w0.3: U5.3@8.901,11.791 8.903,11.789 8.903,9.73 C20.1@8.904,9.728 ; v1(9.931,54.635) TP12.1@9.931,56.312 ; R31.1@14.744,56.159 13.764,56.159 13.552,56.372 11.935,57.988 10.846,57.988 10.084,58.75 10.084,65.557 10.449,65.922 11.319,65.922 12.088,66.692 L1.2@15.062,66.692 ; v1(26.813,3.676) 27.796,3.676 R28.2@27.813,3.659 R28.2@28.074,3.398 ; C24.2@27.656,6.756 27.711,6.701 C24.2@27.711,6.669 ; C24.2@27.825,6.625 29.978,6.625 U8.1@30.103,6.5 ; v1@28.915,2.676 29.091,2.5 U8.6@30.103,2.5
  Top Layer w0.5: C18.1@8.173,4.8 8.541,5.169 8.541,8.038 ; R17.2@22.034,86.639 22.063,86.668 22.063,87.617 v1(22.092,87.646) ; v1(23.2,4.25) R16.2@23.2,5.25 ; v1(25.503,4.998) 25.541,4.96 v1@25.66,4.96 ; v1@25.527,4.981 R15.2@25.527,5.981 ; R11.1@37.7,72.75 37.703,72.753 38.697,72.753 v1(38.7,72.756)
  Top Layer w0.508: v1@63.405,6.996 v1(63.442,6.96) v1@63.454,6.972 ; v1@64.115,6.972 v1(64.127,6.985)
  Top Layer w0.7: C17.2@6.25,8.038 8.541,8.038 8.951,8.448 8.951,9.028 8.939,9.04 8.939,9.693 C20.1@8.904,9.728 ; C18.1@7.496,4.753 C18.1@7.8,4.753 ; v1(26.924,6.655) 27.697,6.655 C24.2@27.711,6.669
  Bottom Layer w0.5: S2.1@18.5,76.5 24.667,76.5 ; v1(22.092,87.646) 24.667,85.071 24.667,76.5 ; S3.1@26.797,76.703 26.594,76.5 24.667,76.5
  other v1: 29.032,2.528 7.093,3.331 9.042,3.327 63.442,7.645 64.114,7.631 20.168,66.7 20.93,66.687 20.193,67.462 20.904,67.513
BAT-EV: R8.1 TP4.1 U5.18 | length 18.2
  Top Layer w0.3: U5.18@16.201,17.691 16.401,17.691 16.635,17.925 16.918,17.925 17.318,18.325 22.521,18.325 22.581,18.265 v1(22.581,17.399) ; v1@25.552,24.944 TP4.1@25.552,26.797
  Bottom Layer w0.3: v1(22.581,17.399) 22.581,21.985 v1@25.596,25
  other v1: 25.551,24.943